# Altium PCB STB_ControlBoard.PcbDoc (part 2 of 3) (continued)
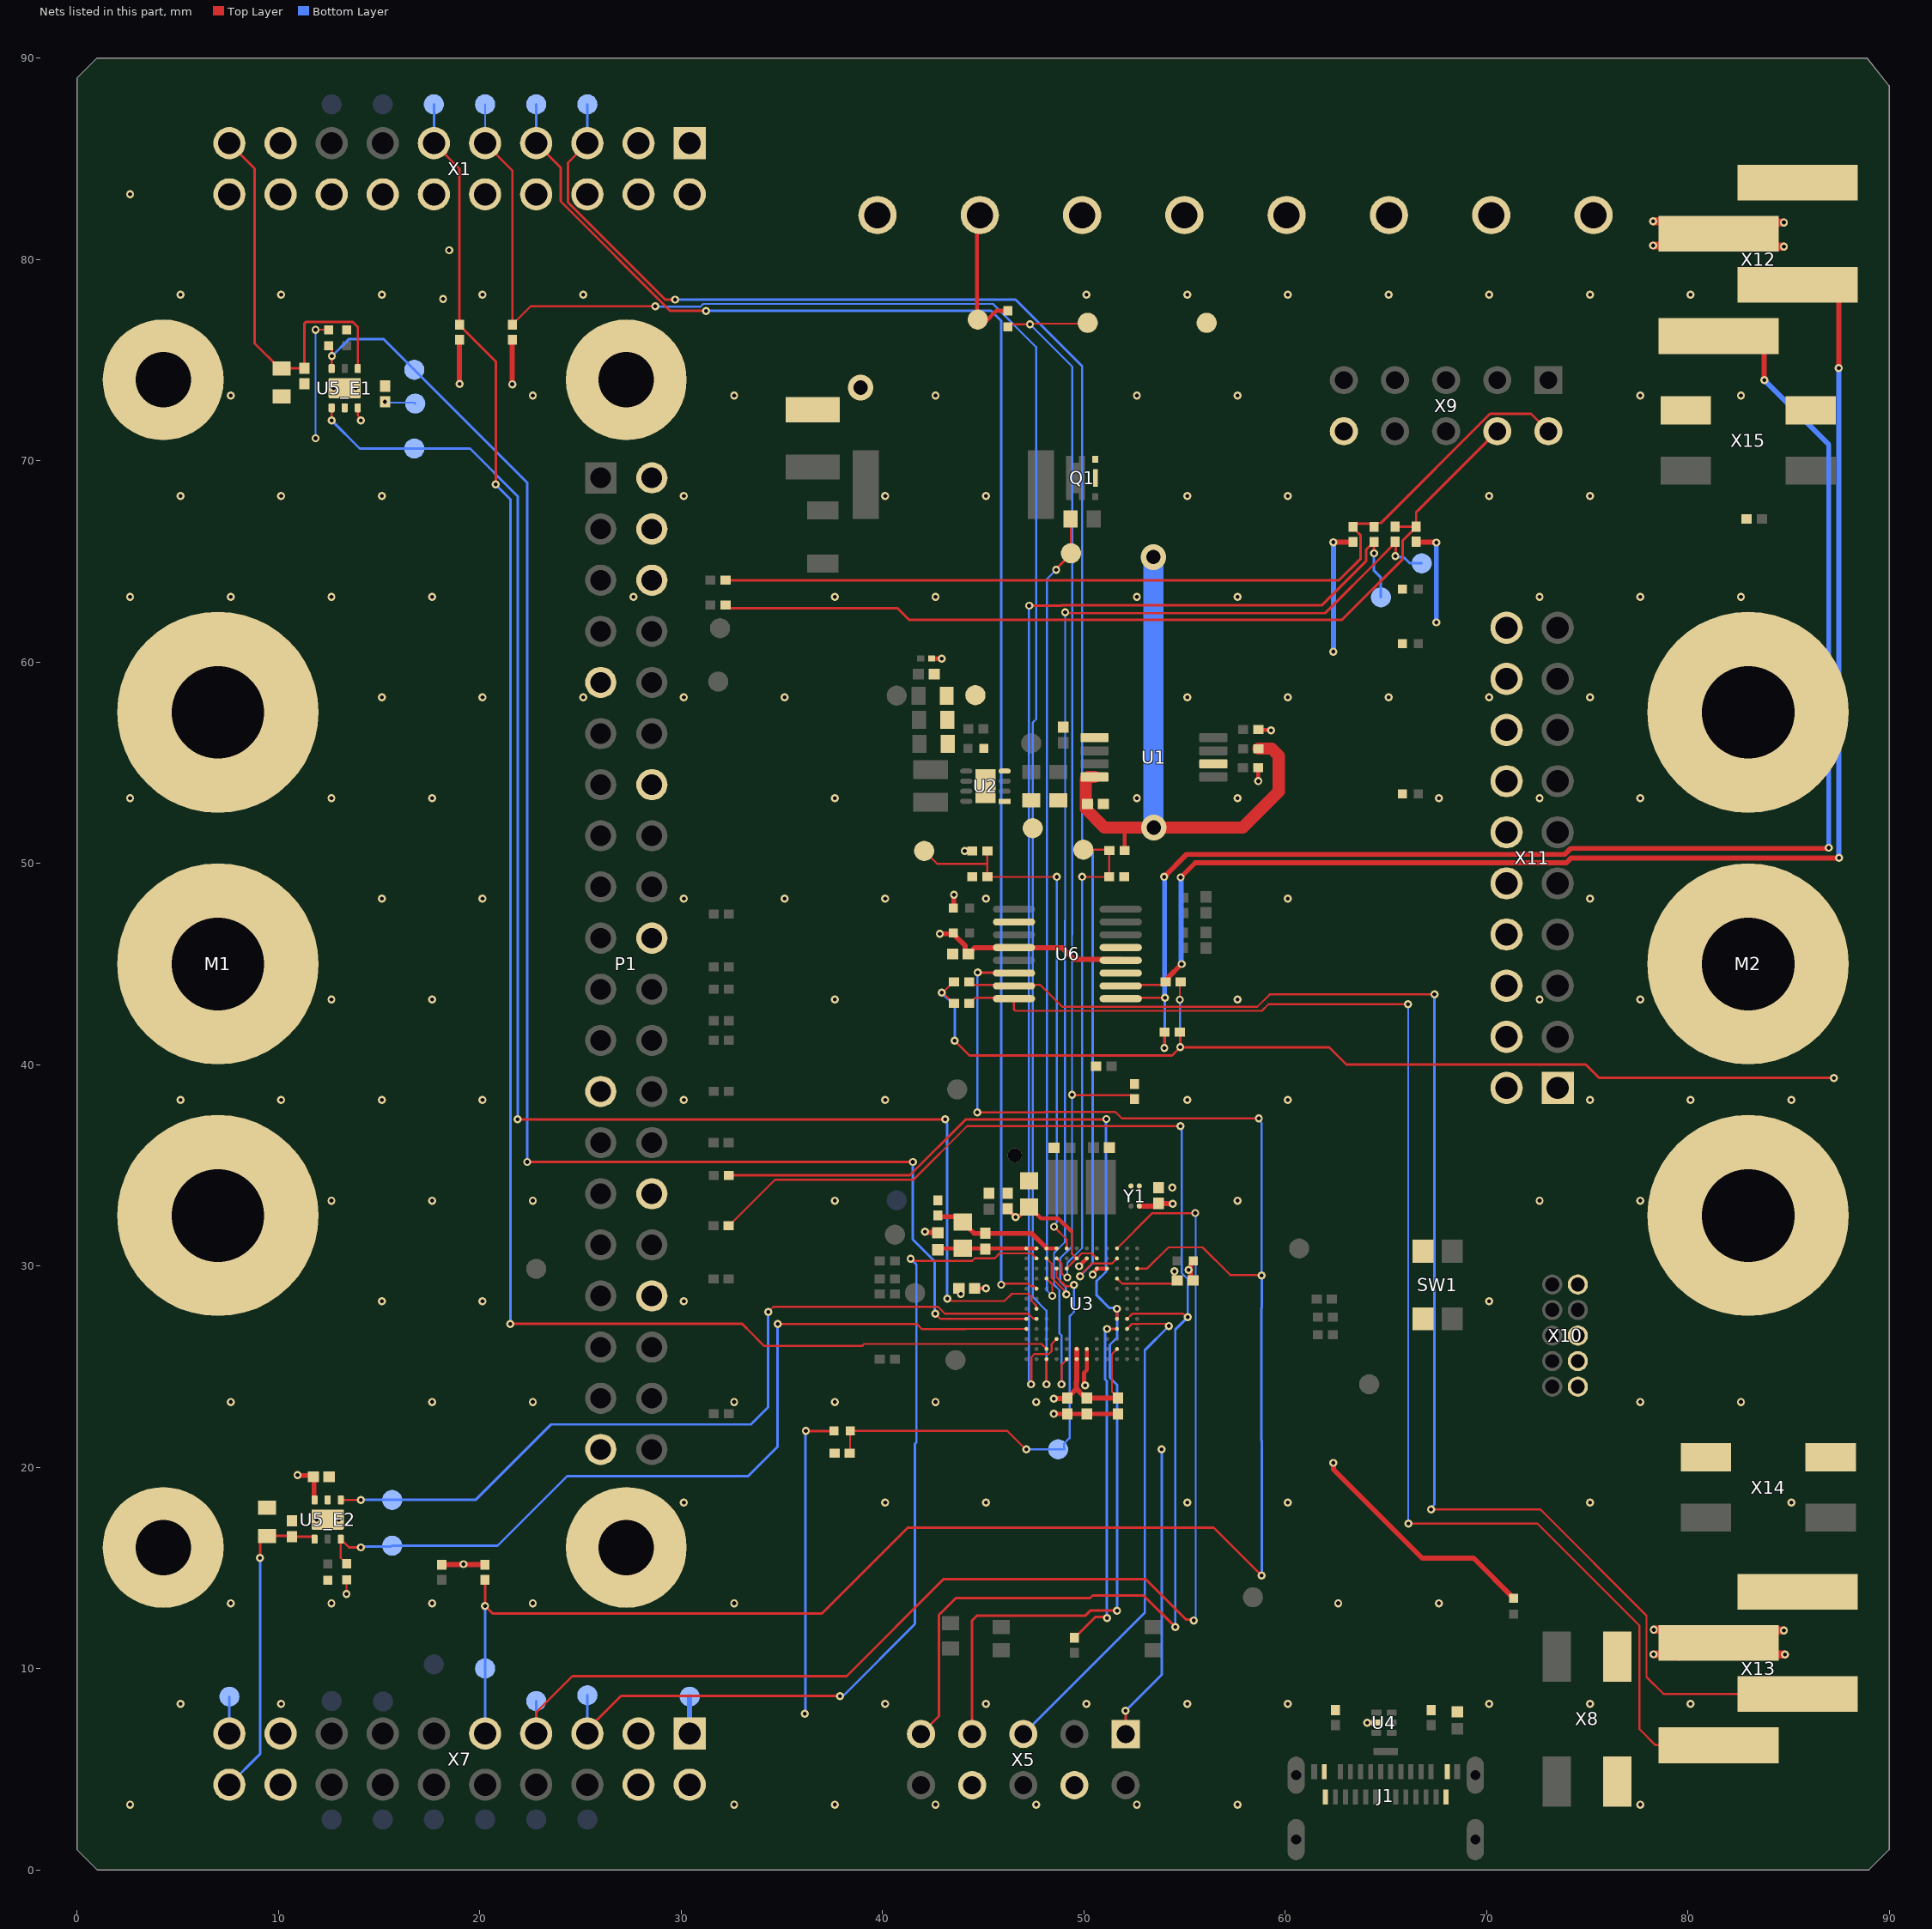
[diagram p4: the nets of this part, all layers, seen from the top]
## Part data (continued)
R55 R56: library part CMP-2002-07753-1, Manufacturer="Yageo / Phycomp", Manufacturer Part Number=RC0402FR-075K1L, Max Operating Temperature=155°C, Min Operating Temperature=-55°C, Package Height=0.35mm, Package Length=1mm, Package Shape=Rectangular, Package Style=SMTMeter, Package Width=0.5mm, Rated Power Dissipation (P)=62.5mW, Rated Temperature=70°C, Resistor Type="FIXED RESISTOR", Supplier Part Number 1=311-5.10KLRDKR-ND, Temperature Coefficient=100ppm/°C, Tolerance=1%, Working Voltage=50V, Additional Feature="LASER TRIMMABLE", Category="Chip SMD Resistors", ComponentLink1Description=https://datasheet.ciiva.com:443/pdfs/VipMasterIC/IC/YAGO/YAGO-S-A0008145938/YAGO-S-A0008145938-1.pdf?src-supplier=IHS+Markit, ComponentLink1URL=https://datasheet.ciiva.com:443/pdfs/VipMasterIC/IC/YAGO/YAGO-S-A0008145938/YAGO-S-A0008145938-1.pdf?src-supplier=IHS+Markit, ComponentLink2Description=https://datasheet.ciiva.com/7983/1018594-7983519.pdf?src-supplier=Element14, ComponentLink2URL=https://datasheet.ciiva.com/7983/1018594-7983519.pdf?src-supplier=Element14, ComponentLink3Description=https://datasheet.ciiva.com/46394/1018594-46394936.pdf?src-supplier=Element14, ComponentLink3URL=https://datasheet.ciiva.com/46394/1018594-46394936.pdf?src-supplier=Element14, ComponentLink4Description=https://datasheet.ciiva.com/2453/pyu-r-int-thick-7-2453401.pdf?src-supplier=Digi-Key, ComponentLink4URL=https://datasheet.ciiva.com/2453/pyu-r-int-thick-7-2453401.pdf?src-supplier=Digi-Key, ComponentLink5Description=https://datasheet.ciiva.com/2453/pyu-r-int-thick-7-2453402.pdf?src-supplier=Digi-Key, ComponentLink5URL=https://datasheet.ciiva.com/2453/pyu-r-int-thick-7-2453402.pdf?src-supplier=Digi-Key, ComponentLink6Description=https://datasheet.ciiva.com/2453/pyu-r-int-thick-7-2453400.pdf?src-supplier=Digi-Key, ComponentLink6URL=https://datasheet.ciiva.com/2453/pyu-r-int-thick-7-2453400.pdf?src-supplier=Digi-Key, ComponentLink7Description=https://datasheet.ciiva.com/12558/pyu-rc0402-51-rohs-l-6-r-8721-12558460.pdf?src-supplier=Mouser, ComponentLink7URL=https://datasheet.ciiva.com/12558/pyu-rc0402-51-rohs-l-6-r-8721-12558460.pdf?src-supplier=Mouser, ComponentLink8Description=https://datasheet.ciiva.com/16744/pyu-rc0402-51-rohs-l-6-r-16744283.pdf?src-supplier=Future+Electronics, ComponentLink8URL=https://datasheet.ciiva.com/16744/pyu-rc0402-51-rohs-l-6-r-16744283.pdf?src-supplier=Future+Electronics, ComponentLink9Description=https://datasheet.ciiva.com/15189/getdatasheetpartid-323636-15189493.pdf?src-supplier=Verical, ComponentLink9URL=https://datasheet.ciiva.com/15189/getdatasheetpartid-323636-15189493.pdf?src-supplier=Verical, Construction=Chip, JESD-609 Code=e3, Mount="Surface Mount", Number of Pins=2, Packaging="Tape and Reel", Part Number=RC0402FR-075K1L, Pricing 1="1=0.10000, 10=0.01500, 100=0.00600, 1000=0.00267, 2500=0.00232, 5000=0.00192 (USD)", REACH SVHC=Yes, RoHS=Yes, RoHS Compliant=Yes, Size Code=0402, Stock 1=2765402, Supplier 1=Digi-Key, Technology="METAL GLAZE/THICK FILM", Terminal Finish=Nickel, Termination=Wraparound
R65 R67: library part CMP-1011-00531-2, Manufacturer="Yageo / Phycomp", Manufacturer Part Number=RC0402FR-071K6L, Max Operating Temperature=155°C, Min Operating Temperature=-55°C, Package Height=0.35mm, Package Length=1mm, Package Shape=Rectangular, Package Style=SMTMeter, Package Width=0.5mm, Rated Power Dissipation (P)=62.5mW, Rated Temperature=70°C, Resistor Type="FIXED RESISTOR", Supplier Part Number 1=YAG3045CT-ND, Temperature Coefficient=100ppm/°C, Tolerance=1%, Working Voltage=50V, Additional Feature="LASER TRIMMABLE", Category="Chip SMD Resistors", ComponentLink1Description=https://datasheet.ciiva.com:443/pdfs/VipMasterIC/IC/YAGO/YAGO-S-A0008145938/YAGO-S-A0008145938-1.pdf?src-supplier=IHS+Markit, ComponentLink1URL=https://datasheet.ciiva.com:443/pdfs/VipMasterIC/IC/YAGO/YAGO-S-A0008145938/YAGO-S-A0008145938-1.pdf?src-supplier=IHS+Markit, ComponentLink2Description=https://datasheet.ciiva.com/7849/1018594-7849865.pdf?src-supplier=Element14, ComponentLink2URL=https://datasheet.ciiva.com/7849/1018594-7849865.pdf?src-supplier=Element14, ComponentLink3Description=https://datasheet.ciiva.com/7849/1018594-7849866.pdf?src-supplier=Element14, ComponentLink3URL=https://datasheet.ciiva.com/7849/1018594-7849866.pdf?src-supplier=Element14, ComponentLink4Description=https://datasheet.ciiva.com/8895/pyu-rc0402-51-rohs-l-6-8895221.pdf?src-supplier=Avnet, ComponentLink4URL=https://datasheet.ciiva.com/8895/pyu-rc0402-51-rohs-l-6-8895221.pdf?src-supplier=Avnet, ComponentLink5Description=https://datasheet.ciiva.com/15189/getdatasheetpartid-329238-15189373.pdf?src-supplier=Verical, ComponentLink5URL=https://datasheet.ciiva.com/15189/getdatasheetpartid-329238-15189373.pdf?src-supplier=Verical, Construction=Chip, JESD-609 Code=e3, Mount="Surface Mount", Number of Pins=2, Packaging="Tape and Reel", Part Number=RC0402FR-071K6L, Pricing 1="1=0.10000, 10=0.01500, 100=0.00600, 1000=0.00267, 2500=0.00232, 5000=0.00192 (USD)", REACH SVHC=Yes, RoHS=Yes, RoHS Compliant=Yes, Size Code=0402, Stock 1=492226, Supplier 1=Digi-Key, Technology="METAL GLAZE/THICK FILM", Terminal Finish=Nickel, Termination=Wraparound
R66 R68: library part CMP-06022-000003-3, "NTC Thermistor for Temperature Sensor, 0402, 10kΩ, 1%, 0.1mA, 5V", Case Code (Imperial)=0402, Case Code (Metric)=1005, Current Rating=310uA, Manufacturer=Murata, Max Operating Temperature=125°C, Max Power Dissipation=100mW, Min Operating Temperature=-40°C, Package Quantity=10000, Package Shape=Rectangular, Rated Temperature=25°C, Resistance Tolerance=1%, Resistor Type="NTC THERMISTOR", Supplier Part Number 1=490-4801-1-ND, Case/Package=0402, Category=Thermistors, ComponentLink1Description=https://datasheet.ciiva.com:443/pdfs/VipMasterIC/IC/MURE/MURE-S-A0003530701/MURE-S-A0003530701-1.pdf?src-supplier=IHS+Markit, ComponentLink1URL=https://datasheet.ciiva.com:443/pdfs/VipMasterIC/IC/MURE/MURE-S-A0003530701/MURE-S-A0003530701-1.pdf?src-supplier=IHS+Markit, Depth=0.5mm, Height=0.5mm, JESD-609 Code=e3, Lead Free="Lead Free", Length=1mm, Manufacturer Part Number=NCP15XH103F03RC, Mount="Surface Mount", Number of Pins=2, Packaging="Tape and Reel", Power Rating=100mW, Pricing 1="1=0.16000, 5=0.14200, 10=0.12600, 25=0.11280, 50=0.09940, 100=0.08470, 500=0.07000, 1000=0.05861, 5000=0.05210 (USD)", Radiation Hardening=No, Rated Power Dissipation (P)=100mW, REACH SVHC="No SVHC", RoHS=Yes, RoHS Compliant=Yes, Series=NCP, Stock 1=413279, Supplier 1=Digi-Key, Terminal Finish=Nickel, Terminal Placement="Dual Ended", Termination=SMD/SMT, Thermistor Application="TEMPERATURE COMPENSATION", Tolerance=1%
SW1: library part CMP-2000-06231-1, "Light Touch Switch, 100 mOhm, -40 to 85 degC, 4-Pin SMD, RoHS, Tape and Reel", Actuator Color=Black, Contact Current(DC)-Max=20mA, Contact DC Max Rating R Load=.02A@15VDC, Contact Rating @ Voltage=0.02@15VDCA, Contact Resistance=0.1mR, Contact Voltage(DC)-Max=15V, Dielectric Strength=250VAC, Dielectric Withstand Volts=250VACV, Insulation Resistance=100MR, Manufacturer=Panasonic, Manufacturer Series=EVPAA, Max Operating Temperature=85°C, Maximum AC Voltage Rating=N/A, Maximum Contact Resistance=100mOhm, Min Operating Temperature=-40°C, Minimum Insulation Resistance=100MOhm, Operating Force=1N, Operating Temperature=-40to85C, Package Description="4-Pin Surface Mount Device, Body 2.9 x 3.5 mm, Pitch 1.45 mm", Supplier Part Number 1=P13347SDKR-ND, Actuator Angle=0°, Actuator Length=0.3mm, Actuator Style=RectangularButton, Actuator Travel=0.127mm, Actuator Type=Pushbutton, Base Material=N/A, Body Breadth=2.9inch, Body Color=Black, Body Height=1.4mm, Body Length or Diameter=3.5mm, Body Orientation=Straight, Category="Tactile Switches", Circuit Configuration=1X1, ComponentLink1Description=https://datasheet.ciiva.com:443/pdfs/VipMasterIC/IC/PANA/PANA-S-A0001791376/PANA-S-A0001791376-1.pdf?src-supplier=IHS+Markit, ComponentLink1URL=https://datasheet.ciiva.com:443/pdfs/VipMasterIC/IC/PANA/PANA-S-A0001791376/PANA-S-A0001791376-1.pdf?src-supplier=IHS+Markit, ComponentLink2Description=https://datasheet.ciiva.com/24076/atk0000pe184-69004-24076293.pdf?src-supplier=Mouser, ComponentLink2URL=https://datasheet.ciiva.com/24076/atk0000pe184-69004-24076293.pdf?src-supplier=Mouser, ComponentLink3Description=https://datasheet.ciiva.com/30108/atk0000ce26-30108515.pdf?src-supplier=Onlinecomponents.com, ComponentLink3URL=https://datasheet.ciiva.com/30108/atk0000ce26-30108515.pdf?src-supplier=Onlinecomponents.com, ComponentLink4Description=https://datasheet.ciiva.com/17016/70270676-17016874.pdf?src-supplier=Allied+Electronics, ComponentLink4URL=https://datasheet.ciiva.com/17016/70270676-17016874.pdf?src-supplier=Allied+Electronics, ComponentLink5Description=https://datasheet.ciiva.com/16395/atk0000ce26-16395244.pdf?src-supplier=Future+Electronics, ComponentLink5URL=https://datasheet.ciiva.com/16395/atk0000ce26-16395244.pdf?src-supplier=Future+Electronics, ComponentLink6Description=https://datasheet.ciiva.com/2899/atk0000ce26-2899991.pdf?src-supplier=Digi-Key, ComponentLink6URL=https://datasheet.ciiva.com/2899/atk0000ce26-2899991.pdf?src-supplier=Digi-Key, ComponentLink7Description=https://datasheet.ciiva.com/2899/atk0000ce26-2899992.pdf?src-supplier=Digi-Key, ComponentLink7URL=https://datasheet.ciiva.com/2899/atk0000ce26-2899992.pdf?src-supplier=Digi-Key, ComponentLink8Description=https://datasheet.ciiva.com/2899/atk0000ce26-2899990.pdf?src-supplier=Digi-Key, ComponentLink8URL=https://datasheet.ciiva.com/2899/atk0000ce26-2899990.pdf?src-supplier=Digi-Key, Contact Bounce Time-Max=10ms, Contact Function=OFF-(ON), Contact Material=N/A, Contact Plating=N/A, Contact Timing="SNAP ACTION", COO=JP, Datasheet URL=https://industrial.panasonic.com/cdbs/www-data/pdf/ATV0000/ATV0000C1.pdf, Datasheet Version=04/2016, Dimension=4.3x2.9x1.7mm, ECCN=EAR99, Electrical Life=1000000Cycles, Family=EVPAA, Ground Terminal=No, Housing Material=N/A, HTS=8507204000, Illumination Type=N/R, Manufacturer Part Number=EVP-AA002K, Manufacturer URL=http://www.panasonic.com/, Maximum DC Voltage Rating=15V, Mechanical Life=N/A, Mount="Surface Mount", Mounting=SurfaceMount,J-Bend, Mounting Technology=SurfaceMount, Number of Switches=1, Operating Force-Max=1N, Package Reference=EVPAA, Packaging=EmbossedTapeandReel, Part No=EVP-AA002K, Pole Throw Configuration=SPST, Pricing 1="1=0.87000, 10=0.83400, 25=0.80200, 100=0.69610, 250=0.63516, 500=0.59026, 1000=0.52930, 2500=0.49722 (USD)", Product Weight=N/A, REACH SVHC=Yes, RoHS=Yes, RoHS Compliant=Yes, Seal Description=N/A, Seal Location=N/A, Sealing=MOLDED, Stock 1=2300, Supplier=PanasonicIndustrialDevices, Supplier 1=Digi-Key, Supplier Standard Pack=5,000, Switch Action=MOMENTARY, Switch Configuration=N.O., Switch Function=SPST, Switch Type=Keypad, Termination=Solder, Type=LightTouch
TP1 TP2 TP3 TP4 TP5 TP6 TP7 TP8 TP9 TP10 TP11 TP12 TP13 TP14 TP15 TP16 TP17 TP18 TP19 TP20 TP21 TP22 TP23 TP24 TP25 TP26 TP27 TP28 TP29 TP30 TP31 TP32 TP33 TP34 TP39 TP40 TP41 TP43 TP44 TP45 TP46 TP47 TP48 TP49 TP50 TP51 TP52 TP53 TP54: library part testPoint_1mm, "testPoint 1mm"
U1: library part CMP-0339-00041-2, "Dual In / Single Out Autoswitching Power Mux, 2.8 to 5.5 V, -40 to 85 degC, 8-pin TSSOP (PW), Green (RoHS & no Sb/Br)", IN1 Output Current(Max)(A)=1.25, IN1, IN2 Input Voltage(Max)(V)=5.5, IN1, IN2 Input Voltage(Min)(V)=2.8, Manufacturer="Texas Instruments", Max Operating Temperature=85°C, Min Operating Temperature=-40°C, Package Body Material=Plastic, Package Code=TSSOP, Package Equivalence Code=TSSOP8,.25, Package Shape=Rectangular, Package Style="SMALL OUTLINE, THIN PROFILE, SHRINK PITCHMeter", Peak Reflow Temperature (Cel)=260°C, Power Supplies=1.8/5V, Supplier Part Number 1=296-26917-5-ND, Supply Current-Max (Isup)=90uA, Supply Voltage-Max (Vsup)=5.5V, Supply Voltage-Min (Vsup)=1.5V, Supply Voltage-Nom (Vsup)=2.8V, Temperature Grade=INDUSTRIAL, Adjustable Threshold=Yes, Analog IC - Other Type="POWER SUPPLY SUPPORT CIRCUIT", Category="Voltage Regulators - Switching", Code_JEDEC=MO-153, ComponentLink1Description=Datasheet, ComponentLink1URL=http://www.ti.com/general/docs/lit/getliterature.tsp?genericPartNumber=TPS2111A&fileType=pdf, ComponentLink2Description=https://www.ti.com:443/lit/ds/symlink/tps2110a.pdf?src-supplier=IHS+Markit, ComponentLink2URL=https://www.ti.com:443/lit/ds/symlink/tps2110a.pdf?src-supplier=IHS+Markit, ComponentLink3Description=https://datasheet.ciiva.com/15109/getdatasheetpartid-172845-15109256.pdf?src-supplier=Verical, ComponentLink3URL=https://datasheet.ciiva.com/15109/getdatasheetpartid-172845-15109256.pdf?src-supplier=Verical, ComponentLink4Description=https://datasheet.ciiva.com/1961/tps2110a-1961047.pdf?src-supplier=Digi-Key, ComponentLink4URL=https://datasheet.ciiva.com/1961/tps2110a-1961047.pdf?src-supplier=Digi-Key, ComponentLink5Description=https://datasheet.ciiva.com/3232/tps2110a-3232453.pdf?src-supplier=Avnet, ComponentLink5URL=https://datasheet.ciiva.com/3232/tps2110a-3232453.pdf?src-supplier=Avnet, DatasheetVersion=SBVS043A, Eco-Plan="Green (RoHS & no Sb/Br)", Height - Seated (Max)=1.2mm, IN1 rDS(on)(Typ)(mOhm)=84, IN2 Output Current(Max)(A)=1.25, IN2 rDS(on)(Typ)(Ohms)=0.084, JESD-30 Code=R-PDSO-G8, JESD-609 Code=e4, Length=4.4mm, Manufacturer Part Number=TPS2111APW, Moisture Sensitivity Level=1, Mounting Technology="Surface Mount", Number of Channels=2, Number of Functions=1, Number of Inputs=2, Number of Pins=8, PackageDescription="8-Pin Plastic Thin Small Outline Package 3 x 4.4 mm Body ,0.65 mm Pitch", PackageReference=PW0008A, PackageVersion="revG, Feb-2011", PartNumber=TPS2111APW, Pricing 1="1=2.94000, 10=2.63600, 25=2.49240, 100=2.16000, 250=2.04924, 500=1.83878, 1000=1.67200 (USD)", Qualification Status="Not Qualified", REACH SVHC=Yes, RoHS=Yes, RoHS Compliant=Yes, Stock 1=630, SubFamily="Power Multiplexer (MUX)", Supplier 1=Digi-Key, Surface Mount=Yes, Terminal Finish=Nickel, Terminal Form="Gull Wing", Terminal Pitch=0.65mm, Terminal Position=DUAL, Width=3mm
U2: library part CMP-04918-000528-1, "IC REG BUCK ADJUSTABLE 1A 8WSON", Manufacturer="Texas Instruments", Max Input Voltage=17V, Max Operating Temperature=125°C, Max Output Current=1A, Max Output Voltage=6V, Min Input Voltage=3V, Min Operating Temperature=-40°C, Min Output Voltage=900mV, Nominal Input Voltage=12V, Package Body Material=Plastic, Package Code=HVSON, Package Quantity=3000, Package Shape=Square, Package Style="SMALL OUTLINE, HEAT SINK/SLUG, VERY THIN PROFILEMeter", Quiescent Current=17uA, Supplier Part Number 1=296-40840-1-ND, Switching Frequency=2.25MHz, Temperature Grade=AUTOMOTIVE, Analog IC - Other Type="SWITCHING REGULATOR", Category="Power Supply Modules", ComponentLink1Description=https://www.ti.com:443/lit/ds/symlink/tps62160-q1.pdf?src-supplier=IHS+Markit, ComponentLink1URL=https://www.ti.com:443/lit/ds/symlink/tps62160-q1.pdf?src-supplier=IHS+Markit, ComponentLink2Description=http://www.ti.com/lit/ds/symlink/tps62160-q1.pdf?src-supplier=Digi-Key, ComponentLink2URL=http://www.ti.com/lit/ds/symlink/tps62160-q1.pdf?src-supplier=Digi-Key, ComponentLink3Description=http://www.ti.com/lit/gpn/tps62160-q1?src-supplier=Mouser, ComponentLink3URL=http://www.ti.com/lit/gpn/tps62160-q1?src-supplier=Mouser, ComponentLink4Description=http://www.ti.com/general/docs/lit/getliterature.tsp?genericPartNumber=TPS62160-Q1&&fileType=pdf&src-supplier=Avnet, ComponentLink4URL=http://www.ti.com/general/docs/lit/getliterature.tsp?genericPartNumber=TPS62160-Q1&&fileType=pdf&src-supplier=Avnet, Contact Plating=Gold, Control Technique="PULSE WIDTH MODULATION", Height=0.8mm, Height - Seated (Max)=0.8mm, JESD-30 Code=S-PDSO-N8, JESD-609 Code=e4, Lead Free="Lead Free", Length=2mm, Manufacturer Part Number=TPS62160QDSGRQ1, Min Supply Voltage=3V, Moisture Sensitivity Level=2, Mount="Surface Mount", Number of Functions=1, Number of Outputs=1, Number of Pins=8, Operating Supply Voltage=17V, Output Configuration=Positive, Output Current=1A, Output Type=Adjustable, Output Voltage=6V, Packaging="Tape and Reel", REACH SVHC=Yes, RoHS=Yes, RoHS Compliant=Yes, Supplier 1=Digi-Key, Surface Mount=Yes, Switcher Configuration=BUCK, Switching Frequency-Max=2.25MHz, Synchronous Rectifier=Yes, Terminal Finish=Nickel, Terminal Form="No Lead", Terminal Pitch=0.5mm, Terminal Position=DUAL, Weight=0.000384oz, Width=2mm
U3: library part CMP-00955-1, "IC MCU 32BIT 512KB FLASH 100UFBGA", Manufacturer=STMicroelectronics, Operating Temperature="-40°C ~ 85°C (TA)", Package / Case=100-UFBGA, Supplier Device Package="100-UFBGA (7x7)", Supplier Part Number=497-17222-ND, Voltage - Supply (Vcc/Vdd)="1.71 V ~ 3.6 V", Connectivity="CAN, I²C, IrDA, LIN, MMC/SD, QSPI, SAI, SPI, UART/USART, USB", Core Processor="ARM Cortex-M4", Core Size=32-Bit, Data Converters="A/D 16x12b, D/A 1x12b", Manufacturer Part Number=STM32L452VEI6, Numer of I/O=83, Oscillator Type=Internal, PartId=1, Peripherals="Brown-out Detect/Reset, DMA, PWM, WDT", Program Memory Size="512KB (512K x 8)", Program Memory Type=FLASH, RAM Size="160K x 8", Series=STM32L4, Speed=80MHz, Supplier=Digi-Key
U4: library part CMP-0326-00033-3, "ESD Solution for High-Speed Differential Interface, 4 Channels, -40 to +85 degC, 6-pin SON (DRY), Green (RoHS & no Sb/Br)", Breakdown Voltage=9V, Breakdown Voltage(Min)(V)=9, Capacitance=0.8pF, Case/Package=SON, Differential Capacitance(pF)=0.05, IO Capacitance(Typ)(pF)=0.8, IO Leakage Current(nA)=Jan-00, Manufacturer="Texas Instruments", Max Operating Temperature=85°C, Min Operating Temperature=-40°C, Package Quantity=1, Peak Pulse Power=25W, Power Line Protection=Yes, Reverse Standoff Voltage=5.5V, Supplier Part Number 1=296-23628-1-ND, Category="Integrated Circuits (ICs)", ComponentLink1Description="Manufacturer URL", ComponentLink1URL=http://www.ti.com/, ComponentLink2Description=Datasheet, ComponentLink2URL=http://www.ti.com/general/docs/lit/getliterature.tsp?genericPartNumber=TPD4S009&fileType=pdf, ComponentLink3Description="URL Link1", ComponentLink3URL=SamplesURL:http://www.ti.com/product/tpd4s009#samples, ComponentLink4Description=https://datasheet.ciiva.com/15103/getdatasheetpartid-48198-15103810.pdf?src-supplier=Verical, ComponentLink4URL=https://datasheet.ciiva.com/15103/getdatasheetpartid-48198-15103810.pdf?src-supplier=Verical, ComponentLink5Description=https://datasheet.ciiva.com/339/tpd4s009-339414.pdf?src-supplier=Digi-Key, ComponentLink5URL=https://datasheet.ciiva.com/339/tpd4s009-339414.pdf?src-supplier=Digi-Key, ComponentLink6Description=https://datasheet.ciiva.com/339/tpd4s009-339415.pdf?src-supplier=Digi-Key, ComponentLink6URL=https://datasheet.ciiva.com/339/tpd4s009-339415.pdf?src-supplier=Digi-Key, ComponentLink7Description=https://datasheet.ciiva.com/339/tpd4s009-339416.pdf?src-supplier=Digi-Key, ComponentLink7URL=https://datasheet.ciiva.com/339/tpd4s009-339416.pdf?src-supplier=Digi-Key, Contact Plating=Gold, DatasheetVersion=SLVS817E, Depth=1mm, Direction=Unidirectional, Eco-Plan="Green (RoHS & no Sb/Br)", IEC 61000-4-2 Air-Gap(+/- kV)=9, IEC 61000-4-2 Contact(+/- kV)=8, Interface=LVDS,USB,Ethernet,HDMI,PCIe,SATA, Lead Free="Lead Free", Length=1.5mm, Manufacturer Part Number=TPD4S009DRYR, Min Breakdown Voltage=9V, Mounting Technology="Surface Mount", Number of Bidirectional Channels=4, Number of Pins=6, Number of Unidirectional Channels=4, PackageDescription="6-Pin Plastic Small Outline No-Lead, 1 x 1.45 x 0.6 mm Body, 0.5 mm Pitch", PackageReference=DRY0006A, PackageVersion="revF, Dec-2011", Packaging="Tape and Reel", PartNumber=TPD4S009DRYR, Pricing 1="1=0.98000, 10=0.86400, 100=0.66240, 500=0.52364, 1000=0.41891, 2000=0.41249 (USD)", Radiation Hardening=No, RoHS=Yes, RoHS Compliant=Yes, Series=-, Stock 1=8281, SubFamily="ESD Solution", Supplier 1=Digi-Key, Working Voltage=5.5V
U5_E1 U5_E2: library part CMP-04913-000017-1, "IC PWR MGR EFUSE 6.5V 2.8A 6SON", Current=2.5A, Manufacturer="Texas Instruments", Max Operating Temperature=125°C, Max Supply Voltage=6.5V, Min Operating Temperature=-40°C, Min Supply Voltage=2.5V, Package Body Material=Plastic, Package Code=HVSON, Package Shape=Square, Package Style="SMALL OUTLINE, HEAT SINK/SLUG, VERY THIN PROFILEMeter", Peak Reflow Temperature (Cel)=260°C, Supplier Part Number 1=296-37760-6-ND, Supply Voltage-Nom (Vsup)=5V, Temperature Grade=AUTOMOTIVE, Adjustable Threshold=Yes, Analog IC - Other Type="POWER SUPPLY SUPPORT CIRCUIT", Category="Hot Swap Controllers", ComponentLink1Description=https://www.ti.com:443/lit/ds/symlink/tps25200.pdf?src-supplier=IHS+Markit, ComponentLink1URL=https://www.ti.com:443/lit/ds/symlink/tps25200.pdf?src-supplier=IHS+Markit, ComponentLink2Description=https://datasheet.ciiva.com/46433/1821153-46433335.pdf?src-supplier=Element14, ComponentLink2URL=https://datasheet.ciiva.com/46433/1821153-46433335.pdf?src-supplier=Element14, Contact Plating=Gold, Features="Auto Retry", Height=0.75mm, Height - Seated (Max)=0.8mm, JESD-30 Code=S-PDSO-N6, JESD-609 Code=e4, Lead Free="Lead Free", Length=2.1mm, Manufacturer Part Number=TPS25200DRVT, Max Output Current=2.5A, Moisture Sensitivity Level=2, Mount="Surface Mount", Number of Channels=1, Number of Functions=1, Number of Outputs=1, Number of Pins=6, Packaging="Cut Tape", Pricing 1="1=1.15000, 10=1.03200, 25=0.97960, 100=0.80450 (USD)", REACH SVHC="No SVHC", RoHS=Yes, RoHS Compliant=Yes, Stock 1=21750, Supplier 1=Digi-Key, Supply Voltage-Max (Vsup)=6.5V, Supply Voltage-Min (Vsup)=2.5V, Surface Mount=Yes, Terminal Finish=Nickel, Terminal Form="No Lead", Terminal Pitch=0.65mm, Terminal Position=DUAL, Voltage=6.5V, Width=2.1mm
U6: library part CMP-0253-00230-1, "Dual-Channel Temperature Monitors and Fan-Speed Controller with Thermistor Inputs, -40 to 125 degC, 16-Pin SOP (E16+1), Pb-Free, Tape and Reel", Generic Part Number=MAX6615, Manufacturer=Maxim, Max Operating Temperature=125°C, Max Supply Voltage=5.5V, Min Operating Temperature=-40°C, Min Supply Voltage=3V, Operating Current-Max=1mA, Package Body Material=Plastic, Package Equivalence Code=SSOP16,.25, Package Shape/Style=Rectangular, Power Supplies=3.3/5V, Supplier Part Number 1=MAX6615AEE+TCT-ND, Body Breadth=3.9inch, Body Height=1.64mm, Body Length or Diameter=8.65mm, Category="Power Management ICs", Code_JEDEC=MO137, ComponentLink1Description="Manufacturer URL", ComponentLink1URL=http://www.maximintegrated.com/, ComponentLink2Description=Datasheet, ComponentLink2URL=http://datasheets.maximintegrated.com/en/ds/MAX6615-MAX6616.pdf, ComponentLink3Description="Package Specification", ComponentLink3URL=http://pdfserv.maximintegrated.com/package_dwgs/21-0055.PDF, ComponentLink4Description=https://datasheet.ciiva.com:443/pdfs/VipMasterIC/IC/MAXM/MAXMS09113/MAXMS09113-1.pdf?src-supplier=IHS+Markit, ComponentLink4URL=https://datasheet.ciiva.com:443/pdfs/VipMasterIC/IC/MAXM/MAXMS09113/MAXMS09113-1.pdf?src-supplier=IHS+Markit, ComponentLink5Description=https://datasheet.ciiva.com/3279/max6615-max6616-3279622.pdf?src-supplier=Avnet, ComponentLink5URL=https://datasheet.ciiva.com/3279/max6615-max6616-3279622.pdf?src-supplier=Avnet, ComponentLink6Description=https://datasheet.ciiva.com/14083/max6615-max6616-14083689.pdf?src-supplier=Digi-Key, ComponentLink6URL=https://datasheet.ciiva.com/14083/max6615-max6616-14083689.pdf?src-supplier=Digi-Key, ComponentLink7Description=https://datasheet.ciiva.com/13952/max6615-max6616-13952058.pdf?src-supplier=Digi-Key, ComponentLink7URL=https://datasheet.ciiva.com/13952/max6615-max6616-13952058.pdf?src-supplier=Digi-Key, ComponentLink8Description=https://datasheet.ciiva.com/13952/max6615-max6616-13952059.pdf?src-supplier=Digi-Key, ComponentLink8URL=https://datasheet.ciiva.com/13952/max6615-max6616-13952059.pdf?src-supplier=Digi-Key, DatasheetVersion="Rev. 2", Fan Cntrl.=PWM, Fan Controller Functions="Fan Failure Detector", Interface=2-Wire/I2C/SMBus, JESD-609 Code=e3, Manufacturer Part Number=MAX6615AEE+T, Mount="Surface Mount", Mounting Technology="Surface Mount", Number of Bits=8, Number of Pins=16, Output Interface Type=2-Wire, PackageDescription="16-Pin Quarter Small-Outline Package (E16+1), Body 4.90 x 3.89 mm, Pitch 0.635 mm", PackageReference=E16+1, PackageVersion="Rev. K, 04/2012", Packing="Tape and Reel", PartNumber=MAX6615AEE+T, REACH SVHC=Yes, RoHS=Yes, RoHS Compliant=Yes, Sensors/Transducers Type="TEMPERATURE SENSOR,SWITCH/DIGITAL OUTPUT,SERIAL", Supplier 1=Digi-Key, Technology=BICMOS, Terminal Finish=Tin, Termination=Solder
X1 X7 X11: library part CMP-1502-00010-1, "Male Box Header WR-BHD, THT, Vertical, pitch 2.54 mm, 20 pins", Color=Black, Contact Resistance=20mOhm, Current Rating=3A, Flammability Rating="UL94 V-0", Insulation Resistance=1GR, Manufacturer="Wurth Elektronik", Max Operating Temperature=125°C, Min Operating Temperature=-40°C, Operating Temperature=-40to125degC, Package Quantity=160, Supplier Part Number 1=732-2096-ND, Voltage Rating=250V, Withstanding Voltage=500VAC, Working Voltage=250VAC, Category="Headers and Wire Housings", ComponentLink1Description=https://datasheet.ciiva.com/731/6120xx21621-731346.pdf?src-supplier=Digi-Key, ComponentLink1URL=https://datasheet.ciiva.com/731/6120xx21621-731346.pdf?src-supplier=Digi-Key, Connector Type="Male Pin", Contact Gender=Male, Contact Material="Copper Alloy,Copper", Contact Plating=Gold, Contact Type="Male Pin", Datasheet URL=https://katalog.we-online.de/em/datasheet/6120xx21621.pdf, Gender=Male, Height=8.85mm, Housing Material=PBT, Insulation=Insulated, Length=33.06mm, Manufacturer Part Number=61202021621, Manufacturer URL=http://www.we-online.de, Mount="Through Hole", Mounting Technology=THT, Number of Contacts=20, Number of Positions=20, Number of Rows=2, Orientation=Vertical, Package Reference=61202021621, Packaging=Tray, Part Number=61202021621, Pin Number=20, Pitch=2.54mm, Pricing 1="1=0,95000, 10=0,93200, 50=0,85900, 160=0,76900, 320=0,68000 (USD)", Published Date=August2018, Publisher=WurthElektronik, REACH SVHC=Unknown, RoHS=Yes, RoHS Compliant=Yes, Row Spacing=0.1inch, Series=WR-BHD, Stock 1=19791, Supplier 1=Digi-Key, Termination="Through Hole", Width=33.06mm
X2 X3 X4 X6: library part CMP-1559-01627-1, "OMNIMATE Signal - series PM", Colour=Orange, Current Rating=24A, Manufacturer=Weidmueller, Rated_current_use_group_B_UL_1059="15 A", Rated_voltage_for_surge_voltage_class_pollution_degree_II_2="600 V", Rated_voltage_use_group_B_UL_1059="300 V", Supplier Part Number 1=281-2888-ND, UL_94_flammability_rating=V-0, Voltage Rating=600V, Additional Feature="STANDARD: UL 94V-0", Category="Terminal Blocks", ComponentLink1Description="Manufacturer URL", ComponentLink1URL=http://www.weidmueller.com/, ComponentLink2Description="URL Link1", ComponentLink2URL=http://catalog.weidmueller.com/catalog/Start.do?localeId=en&ObjectID=1760490000, ComponentLink3Description=https://datasheet.ciiva.com:443/pdfs/VipMasterIC/IC/WEID/WEIDS07855/WEIDS07855-1.pdf?src-supplier=IHS+Markit, ComponentLink3URL=https://datasheet.ciiva.com:443/pdfs/VipMasterIC/IC/WEID/WEIDS07855/WEIDS07855-1.pdf?src-supplier=IHS+Markit, ComponentLink4Description=https://datasheet.ciiva.com/16046/1760490000-pm-5-08-02-90-3-5sn-or-bx-en-pdf-148-16046417.pdf?src-supplier=Onlinecomponents.com, ComponentLink4URL=https://datasheet.ciiva.com/16046/1760490000-pm-5-08-02-90-3-5sn-or-bx-en-pdf-148-16046417.pdf?src-supplier=Onlinecomponents.com, ComponentLink5Description=https://datasheet.ciiva.com/823/1760490000-823936.pdf?src-supplier=Digi-Key, ComponentLink5URL=https://datasheet.ciiva.com/823/1760490000-823936.pdf?src-supplier=Digi-Key, Contact_material=Cu-Leg, Contact_surface=tinned, Fastening Method=SOLDER, Insulating_material="Wemid (PA)", Manufacturer Part Number=1760490000, Manufacturer Series=1760490000, Mount=Board, Mounting_onto_the_PCB="Solder connection", No_of_poles=2, Number of Decks=1, Number of Rows=1, Number of Ways=2, PackageReference=PM_5_08_90_02, Packaging=Box, PartNumber=1760490000, Pitch_inch="0,2 inch", Pitch_mm="5,08 mm", Pricing 1="1=0.72000, 10=0.45000, 25=0.38480, 50=0.34600, 100=0.33870, 250=0.28828, 500=0.27386, 1000=0.24503, 5000=0.20820 (USD)", Qty="500 PCS", REACH SVHC=Yes, Revision=V1, RoHS=Yes, RoHS Compliant=Yes, Safety Approval=UL,CSA, Short_text_for_material="PM 5.08/02/90 3.5SN OR BX", Side_termination_characteristic="closed side", Solder_pin_length_mm="3,5 mm", Solid_max_H05_07_V_U="2,5 mm²", Solid_min_H05_07_V_U="0,13 mm²", Stock 1=17520, Supplier 1=Digi-Key, Terminal and Terminal Block Type="MODULAR TERMINAL BLOCK", Wire Cross Section=2.5mm2, Wire/Cable Gauge=14AWG, Wire_cross_section_AWG_max_UL_1059="AWG 14", Wire_cross_section_AWG_min_UL_1059="AWG 26"
X5 X9: library part CMP-2000-07502-1, "Male Header, Pitch 2.54 mm, 2 x 5 Position, Height 9.855 mm, Tail Length 3.048 mm, -65 to 105 degC, RoHS, Tube", Colour=Black, Current Rating=1A, Flammability Rating=UL94V-0, Insulation Resistance=5GR, Manufacturer="TE Connectivity", Max Operating Temperature=105degC, Min Operating Temperature=-65degC, Package Description="Male Header, Pitch 2.54 mm, 2 x 5 Position, Height 9.855 mm, Tail Length 3.048 mm", Package Quantity=35, Board Standoff=Yes(With), Body Material=Thermoplastic, Connector System=Wire-to-Board, Connector Type=Header, Contact Gender=Male, Contact Material=CopperAlloy, Contact Mating Length=0.24inch, Contact Plating=Gold, Contact Shape=Square, Datasheet URL=http://www.te.com/commerce/DocumentDelivery/DDEController?Action=showdoc&DocId=Customer+Drawing%7F5103309%7FE1%7Fpdf%7FEnglish%7FENG_CD_5103309_E1.pdf%7F5103309-1, Datasheet Version="Rev. E1, 03/2011", Depth=9.14mm, ELV=Compliant, Gender=Male, Height=8.813mm, Housing Colour=Black, Housing Material=PBT, Lead Free=LeadFree, Length=0.8inch, Manufacturer URL=http://www.te.com/, Mating Alignment=Yes(With), Mating Connector Lock=No(Without), Mating Retention=No(Without), Max Current Rating=1A, Mount=ThroughHole, Mounting Technology=ThroughHole, Number of Contacts=10, Number of Positions=10, Number of Rows=2, Orientation=Straight, Package Reference=5103309-1, Packaging=Rail/Tube, Panel Mount Retention=No(Without), PCB Mount Alignment=No(Without), PCB Mount Retention=Without, PCB Mounting Orientation=Vertical, Pitch=2.54mm, REACH SVHC=NoSVHC, RoHSCompliant=True, Row Spacing=2.54mm, Shrouded=Yes(With), Shrouded End Dimension=3.81mm, Termination=ThroughHole, Termination Post Length=0.12inch
X8 X14 X15: "Barrier Strip Terminal Block, 3A, 0.34mm2, 1 Row(s), 1 Deck(s)", Current Rating=3A, Manufacturer=WAGO, Supplier Part Number 1=2946-2059-302/998-403CT-ND, Voltage Rating=250V, Category=Connectors, ComponentLink1Description=https://datasheet.ciiva.com:443/pdfs/VipMasterIC/IC/WAGO/WAGO-S-A0007107760/WAGO-S-A0007107948-1.pdf?src-supplier=IHS+Markit, ComponentLink1URL=https://datasheet.ciiva.com:443/pdfs/VipMasterIC/IC/WAGO/WAGO-S-A0007107760/WAGO-S-A0007107948-1.pdf?src-supplier=IHS+Markit, ComponentLink2Description=https://datasheet.ciiva.com/41441/001208172-da-01-de-smd-leiterplattenklemme-2059-302-998-404-41441808.pdf?src-supplier=Conrad, ComponentLink2URL=https://datasheet.ciiva.com/41441/001208172-da-01-de-smd-leiterplattenklemme-2059-302-998-404-41441808.pdf?src-supplier=Conrad, ComponentLink3Description=https://datasheet.ciiva.com/46435/1860449-46435420.pdf?src-supplier=Element14, ComponentLink3URL=https://datasheet.ciiva.com/46435/1860449-46435420.pdf?src-supplier=Element14, Fastening Method=PUSH-IN, Manufacturer Part Number=2059-302/998-403, Mount=Board, Number of Decks=1, Number of Rows=1, Number of Ways=2, Pricing 1="1=1.25000, 10=0.87800, 25=0.81880, 50=0.74320, 100=0.73990, 250=0.62484, 500=0.59194 (USD)", REACH SVHC=Yes, RoHS=Yes, RoHS Compliant=Yes, Safety Approval=UL, Stock 1=17368, Supplier 1=Digi-Key, Terminal and Terminal Block Type="BARRIER STRIP TERMINAL BLOCK", Wire Cross Section=0.34mm2, Wire/Cable Gauge=22AWG